# KiCad board hall effect keyboard.kicad_pcb (continued)
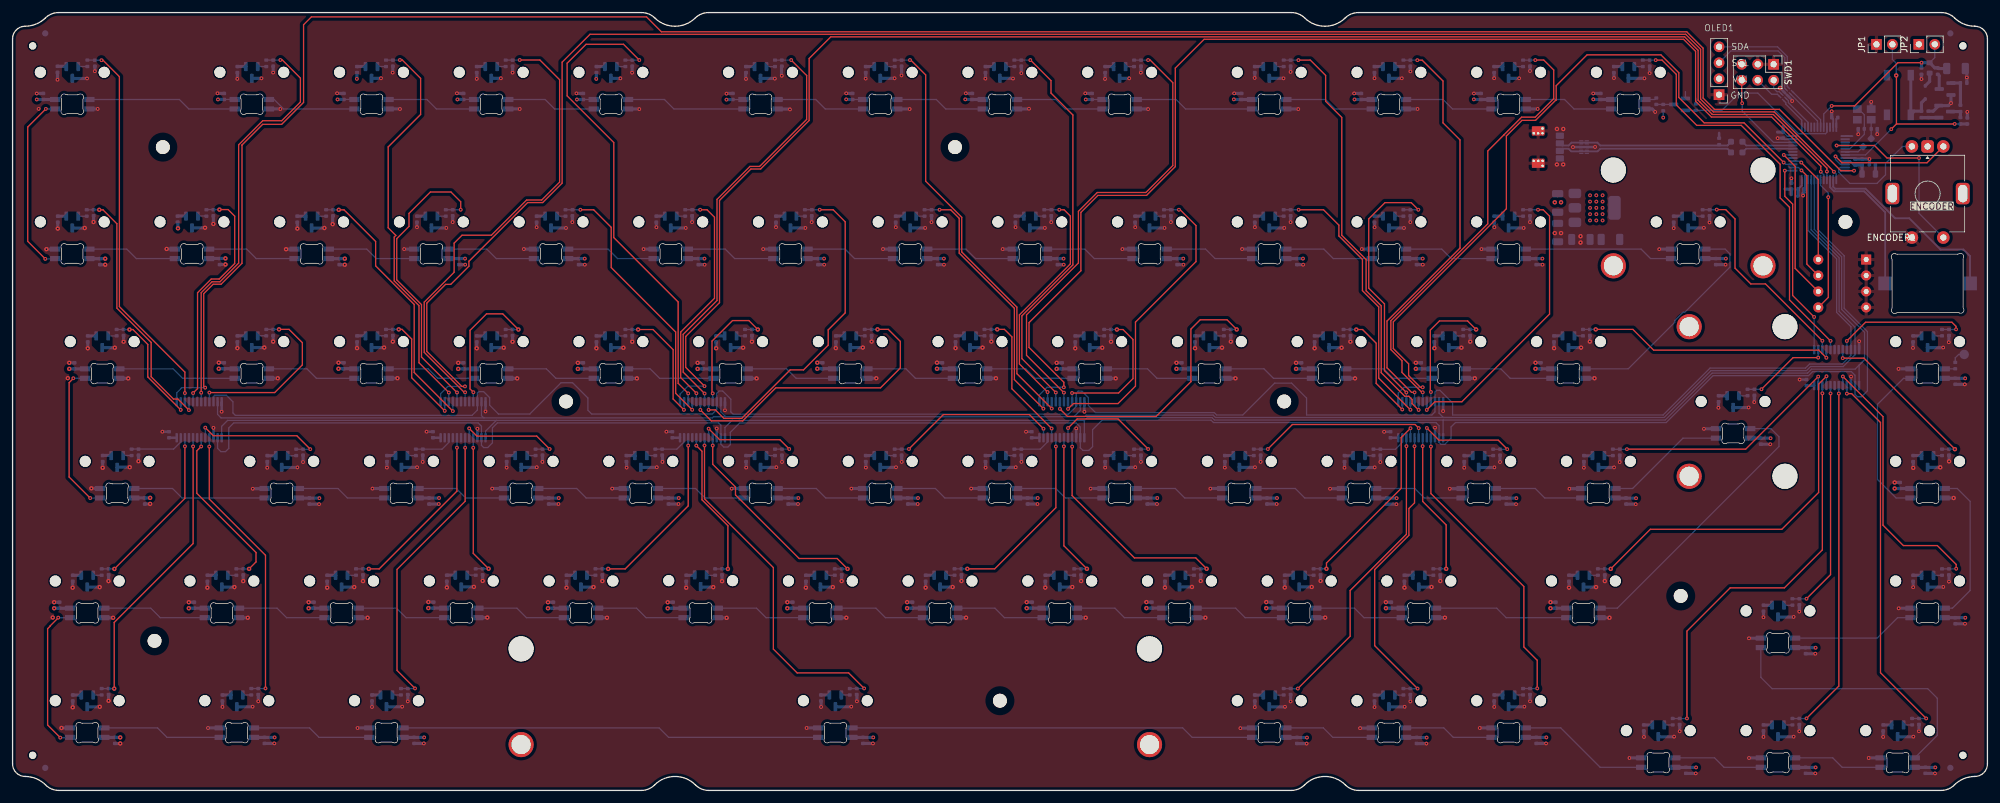
[diagram p0: board, top side]
## Routing (per net, layer and track width the routed paths; a pad name or vN(x,y) marks a point on that pad's centre or on a via; arc(x,y) is an arc through that point) (continued)
  vias: v1(4.15,108.47) v1(31.1,9.94) v1(32.61,110.95) v1(33.4,13.29) v1(35.76,113.25) v1(38.23,48.01) v1(38.2,13.34) v1(39.1,14.19) v1(40.53,51.36) v1(41.46,114.25) v1(41.65,7.49) v1(42.61,108.45) v1(45.33,51.41) v1(46.23,52.26) v1(48.78,45.56) v1(51.64,110.95) v1(54.9,9.94) v1(57.2,13.29) v1(57.28,48.04) v1(59.58,51.39) v1(60.49,114.25) v1(61.64,108.45) v1(62,13.34) v1(62.9,14.19) v1(64.38,51.44) v1(65.28,52.29) v1(65.45,7.49) v1(67.83,45.59) v1(70.72,110.95) v1(73.87,113.25) v1(76.33,48.04) v1(78.63,51.39) v1(79.57,114.25) v1(80.72,108.45) v1(81.37,86.16) v1(83.41,89.64) v1(83.43,51.44) v1(84.33,52.29) v1(86.88,45.59) v1(89.09,90.45) v1(89.74,110.94) v1(91.08,83.68) v1(95.43,48.04) v1(97.73,51.39) v1(98.59,114.24) v1(99.74,108.44) v1(100.43,86.16) v1(102.47,89.64) v1(102.53,51.44) v1(103.43,52.29) v1(105.98,45.59) v1(108.15,90.45) v1(110.14,83.68) v1(114.45,48.04) v1(116.72,113.24) v1(116.75,51.39) v1(119.46,86.16) v1(121.32,113.29) v1(121.5,89.64) v1(121.55,51.44) v1(122.42,113.74) v1(122.45,52.29) v1(123.72,108.39) v1(125,45.59) v1(126.38,9.94) v1(127.18,90.45) v1(128.68,13.29) v1(129.17,83.68) v1(133.5,48.04) v1(133.48,13.34) v1(134.38,14.19) v1(135.8,51.39) v1(136.93,7.49) v1(138.53,86.16) v1(140.57,89.64) v1(140.6,51.44) v1(141.5,52.29) v1(144.05,45.59) v1(146.25,90.45) v1(148.24,83.68) v1(152.55,48.04) v1(154.85,51.39) v1(157.58,86.16) v1(159.62,89.64) v1(159.65,51.44) v1(160.55,52.29) v1(163.1,45.59) v1(165.3,90.45) v1(167.29,83.68) v1(171.58,48.04) v1(173.88,51.39) v1(176.63,86.16) v1(178.67,89.64) v1(178.68,51.44) v1(179.58,52.29) v1(182.13,45.59) v1(184.35,90.45) v1(186.34,83.68) v1(190.63,48.04) v1(192.93,51.39) v1(195.4,9.91) v1(195.68,86.16) v1(197.72,89.64) v1(197.73,51.44) v1(197.7,13.26) v1(198.63,52.29) v1(201.18,45.59) v1(202.5,13.31) v1(203.4,90.45) v1(203.4,14.16) v1(205.39,83.68) v1(205.95,7.46) v1(209.68,48.01) v1(211.98,51.36) v1(214.45,9.91) v1(214.73,86.16) v1(216.77,89.64) v1(216.75,13.26) v1(216.78,51.41) v1(217.68,52.26) v1(220.23,45.56) v1(221.55,13.31) v1(222.45,90.45) v1(222.45,14.16) v1(224.44,83.68) v1(225,7.46) v1(228.73,48.01) v1(231.03,51.36) v1(233.5,9.94) v1(233.78,86.16) v1(235.82,89.64) v1(235.83,51.41) v1(235.8,13.29) v1(236.73,52.26) v1(239.28,45.56) v1(240.6,13.34) v1(241.5,90.45) v1(241.5,14.19) v1(243.49,83.68) v1(244.05,7.49) v1(247.78,48.01) v1(250.08,51.36) v1(254.88,51.41) v1(255.78,52.26) v1(257.33,5.16) v1(258.33,45.56) v1(259.63,8.51) v1(264.43,8.56) v1(265.33,9.41) v1(267.88,2.71) v1(269.19,57.55) v1(271.49,60.9) v1(276.29,60.95) v1(276.35,24.21) v1(276.35,5.16) v1(277.19,61.8) v1(278.65,27.56) v1(278.65,8.51) v1(279.74,55.1) v1(283.45,27.61) v1(283.45,8.56) v1(284.35,28.46) v1(284.35,9.41) v1(286.9,21.76) v1(286.9,2.71) v1(295.4,5.16) v1(297.7,8.51) v1(300.15,67.09) v1(300.18,28.99) v1(302.45,70.44) v1(302.48,32.34) v1(302.5,8.56) v1(303.4,9.41) v1(305.95,2.71) v1(307.25,70.49) v1(307.28,32.39) v1(308.15,71.34) v1(308.18,33.24) v1(310.7,64.64) v1(310.73,26.54) v2(6.4,27.52) v2(8.8,65.62) v2(12.89,90.47) v2(15.28,14.27) v2(16,27.48) v2(17.67,71.42) v2(18.41,65.58) v2(20.04,52.4) v2(36.7,33.32) v2(37.44,27.48) v2(41.47,71.44) v2(42.21,65.6) v2(55.77,33.32) v2(56.51,27.48) v2(60.52,71.44) v2(61.26,65.6) v2(74.82,33.35) v2(75.56,27.51) v2(79.57,71.42) v2(80.31,65.58) v2(93.86,33.32) v2(94.6,27.48) v2(98.62,71.42) v2(99.36,65.58) v2(112.91,33.31) v2(113.65,27.47) v2(117.67,71.42) v2(118.41,65.58) v2(131.95,33.32) v2(132.69,27.48) v2(136.72,71.44) v2(137.46,65.6) v2(151.01,33.33) v2(151.75,27.49) v2(155.77,71.44) v2(156.51,65.6) v2(170.05,33.33) v2(170.79,27.49) v2(174.82,71.42) v2(175.56,65.58) v2(189.1,33.34) v2(189.84,27.5) v2(193.88,71.43) v2(194.62,65.59) v2(208.17,33.34) v2(208.91,27.5) v2(212.92,71.42) v2(213.65,65.58) v2(227.22,33.33) v2(227.96,27.49) v2(231.99,71.43) v2(232.72,65.59) v2(245.44,88.7) v2(245.79,105.27) v2(245.78,99.62) v2(246.44,88.7) v2(246.79,105.27) v2(246.78,99.62) v2(249.54,88.2) v2(249.54,87.2) v2(251.03,71.44) v2(251.76,65.6) v2(253.41,33.32) v2(254.15,27.48) v2(308.19,52.38) v2(308.93,46.54)
VDDA: length 4.4
  Bottom w0.2: 292.46,100.11 292.46,100.11
  Bottom w0.3: 292.46,100.11 292.43,100.14 U1.9 ; 292.46,100.11 293.04,99.53 C179.1
  Bottom w0.5: C179.1 C180.1 FB1.1
/ADC1_IN3: length 336.7
  Top w0.2: v1(30.65,64.1) 30.42,64.33 30.42,79.06 31.92,80.56 33.18,80.56 36.51,83.89 36.51,102.68 36.49,102.7 39.81,106.01 42.83,106.01 46.31,109.5 46.31,121.86 47.56,123.11 100.89,123.11 103.26,120.74 266.44,120.74 269.05,118.13 269.05,110.19 270.85,108.39 281.2,108.39 290.96,98.63 v1(293.07,98.63)
  Bottom w0.2: U1.12 293.06,98.64 v1(293.07,98.63) ; v1(30.65,64.1) 26.94,64.1 26.13,63.29 26.13,61.85
/ADC1_IN4: length 290.2
  Top w0.2: v1(289.87,98.47) 289.87,98.49 280.37,107.99 270.68,107.99 268.65,110.03 268.65,117.97 266.27,120.34 91.9,120.34 87.46,115.9 87.46,96.65 84.37,93.56 81.97,93.56 72.63,84.22 72.63,83.43 69.74,80.54 68.91,80.54 65.92,77.55 65.92,69.88 71.5,64.3 v1(72,64.3)
  Bottom w0.2: U1.13 290.25,98.09 v1(289.87,98.47) ; v1(72,64.3) 69.27,64.3 68.13,63.16 68.13,61.85
/ADC2_IN3: length 246.6
  Top w0.2: v1(288.75,98.5) 288.75,99.05 280.22,107.58 270.53,107.58 268.25,109.86 268.25,117.8 266.11,119.94 130.23,119.94 126.78,116.49 126.78,106.63 119.06,98.91 117.52,98.91 112.51,93.9 112.51,77.63 107.13,72.25 107.13,67.33 v1(110.12,64.34)
  Bottom w0.2: v1(110.12,64.34) 107.49,64.34 106.23,63.08 106.23,61.85 ; v1(288.75,98.5) 288.75,98.5 U1.16
/ADC2_IN4: length 192.7
  Top w0.2: v1(167.31,64.16) 167.31,64.96 161.77,70.5 161.77,74.45 170.03,82.71 170.03,92 172.73,94.7 180.47,94.7 185.05,99.28 185.05,114.96 189.63,119.54 265.94,119.54 267.85,117.63 267.85,109.69 270.37,107.18 279.95,107.18 287.78,99.35 v1(287.78,98.47)
  Bottom w0.2: U1.17 288.25,98 287.79,98.46 287.78,98.46 v1(287.78,98.47) ; 163.43,61.85 163.43,62.96 164.63,64.16 v1(167.31,64.16)
/ADC4_IN3: length 31.7
  Top w0.2: v1(282.05,98.64) 282.05,94.56 283.3,93.31 283.3,78.77 v1(286.72,75.35)
  Bottom w0.2: U1.25 v1(282.05,98.64) ; v1(286.72,75.35) 286.73,75.35 U10.1
/ADC4_IN4: length 117.1
  Top w0.2: v1(281.87,99.94) 275.56,106.25 269.22,106.25 265.18,110.29 265.18,114.22 262.33,117.07 250.58,117.07 245.67,112.16 245.67,109.86 245.6,109.86 242.38,106.64 240.22,106.64 237.74,104.16 237.74,92.57 219.75,74.58 219.75,70.33 222.18,67.9 222.18,66.03 224.05,64.16 v1(224.42,64.16)
  Bottom w0.2: v1(224.42,64.16) 221.46,64.16 220.53,63.23 220.53,61.85 ; U1.27 282.17,99.64 v1(281.87,99.94)
/BOOT0: length 29.6
  Top w0.2: v1(289.51,108.94) 293.17,108.94 300.05,115.82 v1(303.81,115.82)
  Bottom w0.2: v1(289.51,108.94) 289.51,108.93 288.25,107.67 U1.44 ; R88.2 305.92,116.64 JP2.2 ; 303.81,115 R89.1 ; 303.81,115.82 v1(303.81,115.82)
  Bottom w0.5: v1(303.81,115.82) 303.81,115 ; C173.1 306.5,114.89 R90.1 305.93,114.99 R88.2 303.81,115.82
/DAC1_OUT1: length 31.8
  Bottom w0.3: U1.14 289.75,96.07 290.06,95.76 294.91,95.76 299.61,91.06 301.86,91.06 306.83,86.09 310.47,86.09 311.53,85.03 BZ1.1
/DAC1_OUT2: length 23
  Bottom w0.3: BZ1.2 298.02,92.02 294.68,95.36 289.89,95.36 289.25,96.01 U1.15
/ENCODER_A: length 21
  Top w0.2: ENCODER1.A 304.68,99.89 291.14,99.89 v1(290.12,100.91)
  Bottom w0.2: v1(290.12,100.91) 290.12,100.41 290.89,99.64 U1.10
/ENCODER_B: length 17.5
  Bottom w0.2: ENCODER1.B 300.78,102.49 298.08,99.79 298.08,97.97 296.71,96.6 292.42,96.6 290.62,98.4 290.62,98.87 290.89,99.14 U1.11
/ENCODER_SW: length 29.6
  Top w0.2: v1(303.41,100.65) 298.32,100.65 296.31,102.66 296.29,102.64 v1(290.29,102.64)
  Bottom w0.2: U1.4 v1(290.29,102.64) ; ENCODER1.S2 303.41,91.86 v1(303.41,100.65)
/I2C1_SCL: length 24
  Bottom w0.2: U1.42 287.25,106.54 U3.7 ; OLED1.3 273.47,117.69 280.99,117.69 282.04,116.64 282.04,111.75 U3.4
/I2C1_SDA: length 24.1
  Bottom w0.2: U1.43 287.75,106.75 U3.6 ; U3.5 282.44,112.05 282.44,116.8 280.9,118.35 OLED1.4
/multiplexers/keys/KEYS_0_0: length 62.3
  Top w0.2: v1(14.15,116.22) 14.39,116.22 17,113.6 17,77 27.42,66.58 v1(27.42,63.24)
  Bottom w0.2: v1(14.15,116.22) C2.1 13.08,116.24 11.9,116.24 ; 27.43,61.85 27.43,63.24 v1(27.42,63.24)
/multiplexers/keys/KEYS_0_1: length 67.2
  Top w0.2: v1(42.61,116.25) 42.93,116.25 45.81,113.37 45.81,109.56 42.84,106.59 39.82,106.59 35.98,102.75 35.98,83.93 33.01,80.96 31.75,80.96 30.02,79.23 v1(30.02,63.29)
  Bottom w0.2: v1(30.02,63.29) 30.03,63.29 30.03,61.85 ; 40.38,116.24 42.6,116.24
/multiplexers/keys/KEYS_0_2: length 64.6
  Top w0.2: v1(69.43,63.32) 64.68,68.07 64.68,77.16 60.74,81.1 60.74,88.07 61,88.33 59.78,89.55 59.78,102.42 64.94,107.58 64.94,113.33 62.02,116.25 v1(61.64,116.25)
  Bottom w0.2: 59.41,116.24 61.63,116.24 ; v1(69.43,63.32) 69.43,63.32 69.43,61.85
/multiplexers/keys/KEYS_0_3: length 77
  Top w0.2: v1(72.02,63.37) 71.86,63.37 65.52,69.72 65.52,77.72 70.27,82.47 70.27,87.1 71.53,88.36 76.2,88.36 81.8,93.96 84.2,93.96 87.06,96.82 87.06,113.11 83.92,116.25 v1(80.72,116.25)
  Bottom w0.2: 72.03,61.85 72.03,63.37 v1(72.02,63.37) ; 78.49,116.24 80.71,116.24
/multiplexers/keys/KEYS_0_4: length 77.9
  Top w0.2: v1(107.53,63.19) 105.93,64.79 105.93,77.74 95.68,87.99 95.68,103.12 88.26,110.54 88.26,115.74 91.27,118.75 97.23,118.75 v1(99.74,116.24)
  Bottom w0.2: 99.73,116.23 97.51,116.23 ; v1(107.53,63.19) 107.53,63.19 107.53,61.85
/multiplexers/keys/KEYS_0_5: length 68.4
  Top w0.2: v1(110.13,63.17) 106.73,66.57 106.73,72.59 112.11,77.97 112.11,94.07 117.35,99.31 118.89,99.31 126.38,106.8 126.38,113.78 v1(123.92,116.24)
  Bottom w0.2: v1(110.13,63.17) 110.13,63.17 110.13,61.85 ; R6.2 C12.1 123.91,116.23 v1(123.92,116.24)
/multiplexers/keys/KEYS_0_6: length 68.4
  Top w0.2: v1(142.82,116.24) 142.95,116.24 145.32,113.87 145.32,96.96 151.06,91.22 151.06,85.7 159.84,76.92 159.84,66.32 v1(165.38,60.78)
  Bottom w0.2: v1(165.38,60.78) 165.38,60.79 165.38,61.85 ; v1(142.82,116.24) 142.81,116.23 C14.1 R7.2
/multiplexers/keys/KEYS_0_7: length 65.3
  Top w0.2: v1(161.97,116.24) 162,116.24 165.27,112.97 165.27,110.98 168.75,107.5 168.75,83.64 160.64,75.53 160.64,68.72 v1(166.03,63.33)
  Bottom w0.2: 166.03,61.85 166.03,63.33 v1(166.03,63.33) ; R8.2 C16.1 161.96,116.23 v1(161.97,116.24)
/multiplexers/keys/KEYS_0_8: length 75.1
  Top w0.2: v1(167.32,63.31) 167.31,63.31 161.37,69.25 161.37,75.69 169.63,83.95 169.63,92.17 172.62,95.16 180.36,95.16 184.65,99.45 184.65,112.64 181.05,116.24 v1(180.72,116.24)
  Bottom w0.2: 167.33,61.85 167.33,63.31 v1(167.32,63.31) ; R9.2 C18.1 180.71,116.23 v1(180.72,116.24)
/multiplexers/keys/KEYS_0_9: length 68.7
  Top w0.2: v1(204.64,116.23) 206.54,116.23 208.97,113.8 208.97,109.68 211.54,107.11 211.54,88.36 215.42,84.48 215.42,79.52 217.82,77.12 217.82,66.48 221.57,62.73 222.22,62.73 222.73,62.22 222.73,61.57 223.74,60.56 v1(223.78,60.56)
  Bottom w0.2: v1(204.64,116.23) 204.64,116.23 C20.1 R10.2 ; 223.78,61.85 223.78,60.57 v1(223.78,60.56)
/multiplexers/keys/KEYS_0_10: length 66.8
  Top w0.2: v1(223.13,63.35) 222.65,63.35 218.74,67.26 218.74,74.7 230.36,86.32 230.36,103.54 227.65,106.25 227.65,112.91 224.34,116.22 v1(223.56,116.22)
  Bottom w0.2: 223.13,61.85 223.13,63.35 v1(223.13,63.35) ; v1(223.56,116.22) 223.55,116.23 C22.1 R11.2
/multiplexers/keys/KEYS_0_11: length 72.5
  Top w0.2: v1(242.34,116.24) 243.69,116.24 245.27,114.66 245.27,110.1 242.33,107.15 240.17,107.15 234.78,101.77 234.78,90.18 219.35,74.75 219.35,70.17 221.12,68.39 221.12,66.52 224.28,63.36 v1(224.42,63.36)
  Bottom w0.2: v1(242.34,116.24) 242.33,116.23 C24.1 R12.2 ; 224.43,61.85 224.43,63.36 v1(224.42,63.36)
/multiplexers/keys/KEYS_0_12: length 64.4
  Top w0.2: v1(261.51,116.23) 262.52,116.23 264.78,113.97 264.78,109.1 268.03,105.85 275.11,105.85 281.31,99.65 281.31,94.3 282.8,92.81 282.8,78.07 v1(289.33,71.54)
  Bottom w0.2: v1(289.33,71.54) 289.32,71.54 U10.5 ; v1(261.51,116.23) 261.51,116.23 C26.1 R13.2
/multiplexers/keys/KEYS_1_0: length 41.9
  Top w0.2: v1(28.07,60.53) 26.31,62.29 25.61,62.29 22.06,65.84 22.06,71.3 16.6,76.76 16.6,90.19 14.39,92.4 v2(13.79,92.4)
  Bottom w0.2: v1(28.07,60.53) 28.08,60.54 28.08,61.85 ; v2(13.79,92.4) 11.79,92.4
/multiplexers/keys/KEYS_1_1: length 37.9
  Top w0.2: v1(28.73,63.24) 29.44,63.95 29.44,79.21 31.62,81.39 32.88,81.39 35.35,83.86 35.35,91.4 34.31,92.44 v2(32.92,92.44)
  Bottom w0.2: 28.73,61.85 28.73,63.24 v1(28.73,63.24) ; v2(32.92,92.44) 30.92,92.44
/multiplexers/keys/KEYS_1_2: length 43.5
  Top w0.2: v1(70.07,60.37) 63.92,66.52 63.92,77.35 57.78,83.49 57.78,87.37 52.75,92.4 v2(51.92,92.4)
  Bottom w0.2: v2(51.92,92.4) 49.92,92.4 ; v1(70.07,60.37) 70.08,60.38 70.08,61.85
/multiplexers/keys/KEYS_1_3: length 48.7
  Top w0.2: v1(71.32,92.42) 71.32,93.69 69.77,95.24 66.5,95.24 63.09,91.83 63.09,89.76 61.14,87.81 61.14,81.26 65.08,77.32 65.08,68.98 v1(70.73,63.33)
  Bottom w0.2: v1(71.32,92.42) 71.31,92.42 C34.1 R17.2 ; 70.73,61.85 70.73,63.33 v1(70.73,63.33)
/multiplexers/keys/KEYS_1_4: length 44.1
  Top w0.2: v1(108.16,60.58) 105.53,63.21 105.53,72.96 95.28,83.21 95.28,89.61 92.47,92.42 v1(90.37,92.42)
  Bottom w0.2: v1(108.16,60.58) 108.18,60.6 108.18,61.85 ; 88,92.41 90.36,92.41
/multiplexers/keys/KEYS_1_5: length 37.8
  Top w0.2: v1(108.83,63.21) 106.33,65.71 106.33,72.95 111.71,78.33 111.71,91.23 110.52,92.42 v1(109.43,92.42)
  Bottom w0.2: 109.42,92.41 107.06,92.41 ; 108.83,61.85 108.83,63.21 v1(108.83,63.21)
/multiplexers/keys/KEYS_1_6: length 53.7
  Top w0.2: v1(128.46,92.42) 130.59,92.42 132.52,90.49 132.52,76.01 129.81,73.3 129.81,70.86 125.88,66.93 123.76,66.93 116.04,59.21 113.2,59.21 111.85,60.56 v1(110.78,60.56)
  Bottom w0.2: 110.78,61.85 110.78,60.57 v1(110.78,60.56) ; 128.45,92.41 126.09,92.41
/multiplexers/keys/KEYS_1_7: length 43
  Top w0.2: v1(164.06,60.76) 159.44,65.38 159.44,76.73 150.66,85.51 150.66,91.05 149.29,92.42 v1(147.53,92.42)
  Bottom w0.2: 147.52,92.41 145.16,92.41 ; v1(164.06,60.76) 164.08,60.78 164.08,61.85
/multiplexers/keys/KEYS_1_8: length 39.3
  Top w0.2: v1(166.58,92.42) 167.34,92.42 168.35,91.41 168.35,83.8 160.24,75.69 160.24,67.88 v1(164.72,63.4)
  Bottom w0.2: v1(164.72,63.4) 164.73,63.4 164.73,61.85 ; 164.21,92.41 166.57,92.41
/multiplexers/keys/KEYS_1_9: length 49
  Top w0.2: v1(185.63,92.42) 185.82,92.42 188.34,89.9 188.34,84.16 178.71,74.53 178.71,64.35 175.93,61.57 168.83,61.57 v1(167.98,60.72)
  Bottom w0.2: v1(167.98,60.72) 167.98,60.73 167.98,61.85 ; 185.62,92.41 183.26,92.41
/multiplexers/keys/KEYS_1_10: length 45.2
  Top w0.2: v1(222.47,60.58) 217.42,65.63 217.42,76.96 214.83,79.54 214.83,84.5 211.08,88.26 211.08,89.97 208.63,92.42 v1(204.68,92.42)
  Bottom w0.2: 202.31,92.41 204.67,92.41 ; v1(222.47,60.58) 222.48,60.59 222.48,61.85
/multiplexers/keys/KEYS_1_11: length 43.4
  Top w0.2: v1(223.73,92.42) 222.6,93.55 218.42,93.55 215.83,90.96 215.83,79.94 218.34,77.43 218.34,66.81 v1(221.82,63.33)
  Bottom w0.2: 223.72,92.41 221.36,92.41 ; 221.83,61.85 221.83,63.33 v1(221.82,63.33)
/multiplexers/keys/KEYS_1_12: length 47.4
  Top w0.2: v1(225.07,60.56) 226.37,61.86 230.66,61.86 244.61,75.81 244.61,91.4 243.59,92.42 v1(242.78,92.42)
  Bottom w0.2: 240.41,92.41 242.77,92.41 ; v1(225.07,60.56) 225.08,60.57 225.08,61.85
/multiplexers/keys/KEYS_1_13: length 33.7
  Top w0.2: v1(288.03,71.56) 278.98,80.61 276.64,80.61 274.13,83.12 274.13,90.95 272.64,92.44 v1(271.22,92.44)
  Bottom w0.2: R27.2 C54.1 271.19,92.42 v1(271.22,92.44) ; v1(288.03,71.56) 288.03,71.56 U10.3
/multiplexers/keys/KEYS_2_0: length 19.8
  Top w0.2: v1(26.77,60.56) 21.52,65.81 21.52,70.98 19.15,73.35 v2(18.61,73.35)
  Bottom w0.2: 26.78,61.85 26.78,60.57 v1(26.77,60.56) ; 16.57,73.35 v2(18.61,73.35)
/multiplexers/keys/KEYS_2_1: length 28.2
  Top w0.2: v2(42.41,73.38) 44,73.38 46.12,71.26 46.12,67.72 41.72,63.32 v1(31.33,63.32)
  Bottom w0.2: 31.33,61.85 31.33,63.32 v1(31.33,63.32) ; 40.37,73.38 v2(42.41,73.38)
/multiplexers/keys/KEYS_2_2: length 19.8
  Top w0.2: v1(68.78,60.41) 63.52,65.67 63.52,71.85 61.99,73.38 v2(61.46,73.38)
  Bottom w0.2: 68.78,61.85 68.78,60.42 v1(68.78,60.41) ; v2(61.46,73.38) 59.42,73.38
/multiplexers/keys/KEYS_2_3: length 23.5
  Top w0.2: v1(73.34,63.37) 72.81,63.9 72.81,73.23 75.43,75.85 78.01,75.85 v2(80.51,73.35)
  Bottom w0.2: 78.47,73.35 v2(80.51,73.35) ; 73.33,61.85 73.33,63.36 v1(73.34,63.37)
/multiplexers/keys/KEYS_2_4: length 20.5
  Top w0.2: v2(99.56,73.35) 101.93,73.35 105.13,70.15 105.13,62.29 v1(106.85,60.57)
  Bottom w0.2: v1(106.85,60.57) 106.88,60.6 106.88,61.85 ; 97.52,73.35 v2(99.56,73.35)
/multiplexers/keys/KEYS_2_5: length 21
  Top w0.2: v1(111.43,63.19) 111.32,63.3 111.32,71.52 114.58,74.78 117.18,74.78 v2(118.61,73.35)
  Bottom w0.2: 111.43,61.85 111.43,63.19 v1(111.43,63.19) ; v2(118.61,73.35) 116.57,73.35
/multiplexers/keys/KEYS_2_6: length 48
  Top w0.2: v1(109.46,60.56) 111.21,58.81 116.21,58.81 121.47,64.07 138.13,64.07 141.29,67.23 141.29,71.46 139.37,73.38 v2(137.66,73.38)
  Bottom w0.2: v2(137.66,73.38) 135.62,73.38 ; v1(109.46,60.56) 109.48,60.58 109.48,61.85
/multiplexers/keys/KEYS_2_7: length 23.5
  Top w0.2: v1(165.37,57.6) 159.04,63.93 159.04,72.19 157.85,73.38 v2(156.71,73.38)
  Bottom w0.2: 154.67,73.38 v2(156.71,73.38) ; U8.21 165.38,57.6 v1(165.37,57.6)
/multiplexers/keys/KEYS_2_8: length 23.5
  Top w0.2: v2(175.76,73.35) 176.73,73.35 178.31,71.77 178.31,65.54 176.02,63.25 v1(168.62,63.25)
  Bottom w0.2: 168.63,61.85 168.63,63.25 v1(168.62,63.25) ; v2(175.76,73.35) 173.72,73.35
